# Altium PCB PCB1.PcbDoc
Units mil, origin at the board's own origin, x right, y up, seen from the top; angles counter-clockwise.
Board outline 8024.4 x 2749.4 mil, 2 copper layers (Top Layer, Bottom Layer); 45 components, 34 nets, 214 pads, 0 vias.
Unrouted connection lines stored in the file: 108.
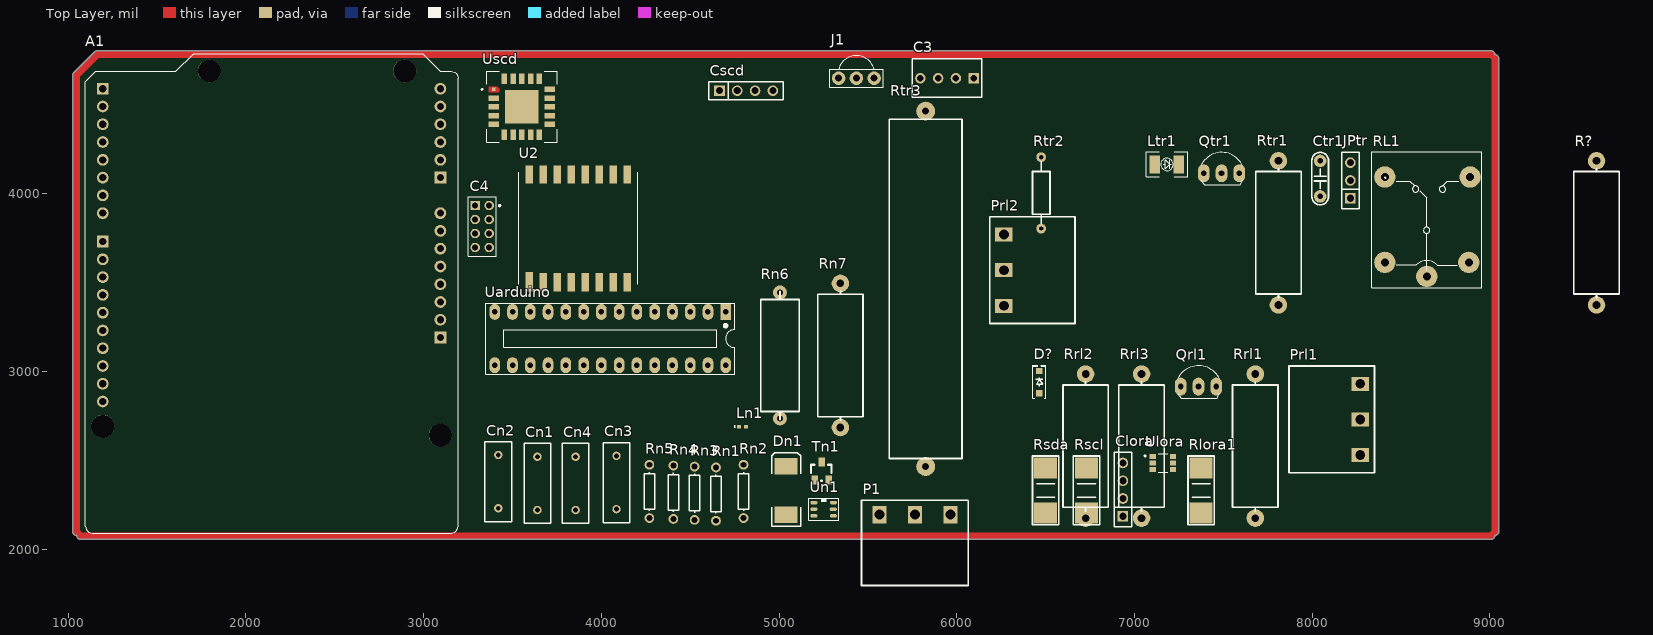
[diagram p0: Top Layer view]
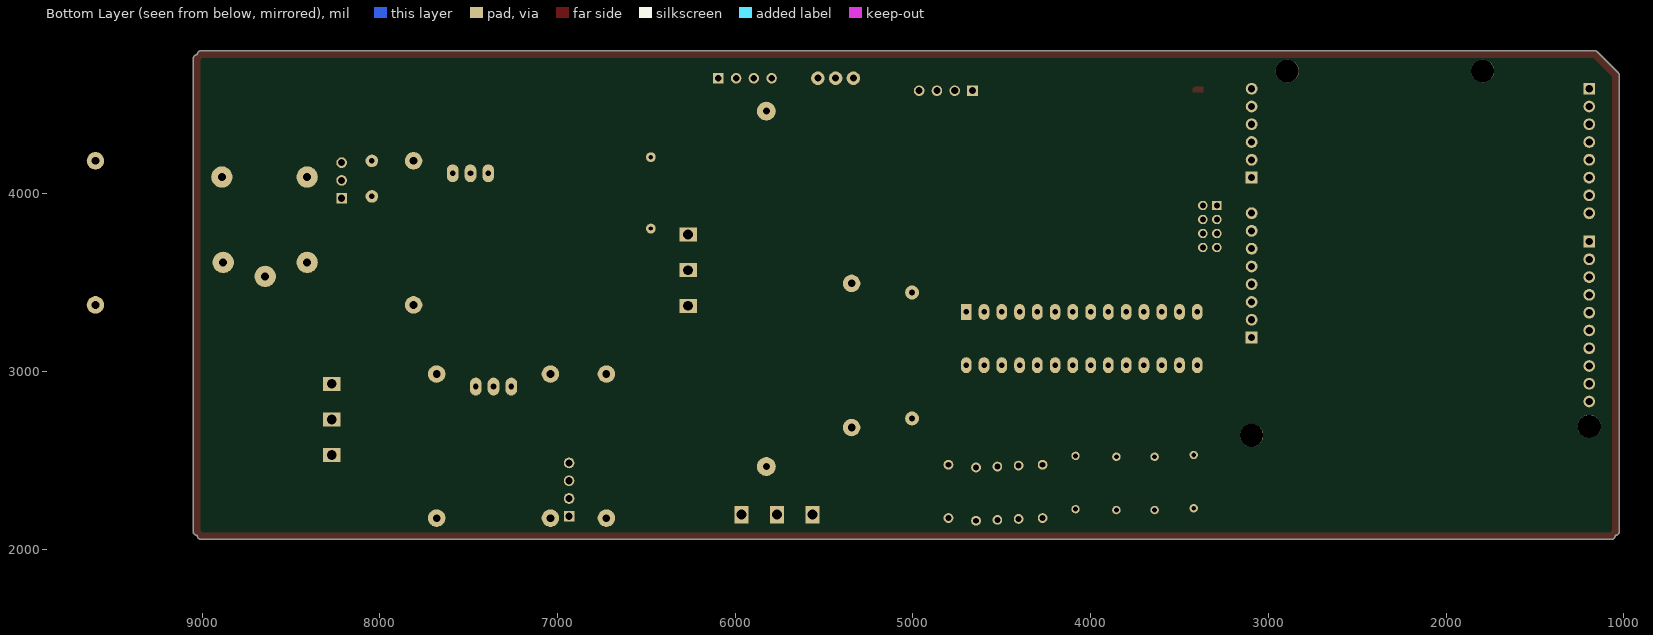
[diagram p1: Bottom Layer view, seen from below]

## Layer stack, top to bottom
Top Solder: solder mask 0.4, Solder Resist, Dk 3.5
Top Layer: signal copper 1.4
Dielectric 1: dielectric 12.6, FR-4, Dk 4.8
Bottom Layer: signal copper 1.4
Bottom Solder: solder mask 0.4, Solder Resist, Dk 3.5

## Board outline
1048.72,2078.72 cw(c1045,2098.06) 1025.3,2098.06 1025.3,4666.94 cw(c1045,4666.94) 1031.07,4680.87 1031.06,4680.86 1149.14,4798.94 1149.13,4798.93 cw(c1163.06,4785) 1163.06,4804.7 9006.94,4804.7 cw(c9006.94,4785) 9026.64,4785 9026.28,4781.28 cw(c9030,4761.94) 9049.7,4761.94 9049.7,2098.06 cw(c9030,2098.06) 9026.28,2078.72 9026.64,2075 cw(c9006.94,2075) 9006.94,2055.3 1068.06,2055.3 cw(c1068.06,2075)

## Design rules (kind name [scope] priority, off if disabled: settings)
Clearance [All] p1: gap=10 ignorepadtopadclearanceinfootprint=FALSE except(0: Arc-Hole Track-Hole SMDPad-Hole THPad-Hole Via-Hole Fill-Hole Poly-Hole Region-Hole Text-Hole)
PolygonConnect [All] p1: connectstyle=Relief reliefconductorwidth=10 reliefentries=4 polygonreliefangle="90 Angle" airgapwidth=10
RoomDefinition Sheet1 [InComponentClass('Sheet1')] p1: confinementstyle=ConfineIn formatcopy=TRUE lockcomponents=FALSE outline 0,0 2000,0 2000,1000 0,1000
RoutingVias [All] p1: holewidth=28 width=50 viastyle="Through Hole" minholewidth=28 minwidth=50 maxholewidth=28 maxwidth=50
SolderMaskExpansion [All] p1: expansion=4 istentingtop=FALSE
Width [All] p1: maxlimit=10 minlimit=10 preferedwidth=10
30 further rules are at their usual default settings.

## Classes and differential pairs
component class Sheet1: A1 C4 Clora Cn1 Cn2 Cn3 Cn4 Cscd Ctr1 D? Dn1 J1 JPtr Ln1 Ltr1 P1 Prl1 Prl2 Qrl1 RL1 Rlora1 Rn2 Rn3 Rn4 Rn5 Rn6 Rn7 Rrl1 Rrl2 Rrl3 Rscl Rsda Rtr1 Rtr2 Rtr3 Tn1 U2 Uarduino Ulora Un1

## Components (designator, comment, footprint, x,y, rotation, side; value= is the part's Value field where it differs from the comment)
A1 "ARDUINO_UNO_REV3" ARDUINO_ARDUINO_UNO_REV3 2145,3440 r90 top
C3 "Header4" HDR4 6095,4650 r180 top
C4 "JP4x2-2.0" J4-C2T 3329.37,3815.63 r270 top
Clora "JP4" JP4-C1T 6935,2185 r90 top
Cn1 "Cap" RAD-0.3 3640,2370 r90 top value=100pF
Cn2 "Cap" RAD-0.3 3420,2380 r90 top value=100pF
Cn3 "Cap" RAD-0.3 4085,2375 r90 top value=100pF
Cn4 "Cap" RAD-0.3 3855,2370 r90 top value=100pF
Cscd "JP4" JP4-C1T 4665,4580 r0 top
Ctr1 "1uF" "tu tantalum dip5.08" 8045,4085 r90 top
D? "S4" "DIODE SOD-123" 6465,2940 r90 top
Dn1 "Diode" SMC 5040,2330 r90 top
J1 "TSOP1838" TSOP1838 5435,4650 r180 top
JPtr "JP3" JP3-C1T 8215,3975 r90 top
Ln1 "Inductor" 0402-A 4795,2690 r0 top value=10mH
Ltr1 "LED 3528" LED-3528-RED 7115,4165 r0 top
P1 "CON 3 EDG5.08" "CON 3 3EDG5.08" 5965,2195 r180 top
Prl1 "CON 3 EDG5.08" "CON 3 3EDG5.08" 8270,2530 r90 top
Prl2 "CON 3 EDG5.08" "CON 3 3EDG5.08" 6265,3770 r270 top
Qrl1 "?" TO92 7360,2915 r0 top value=C9014
Qtr1 "S9015" TO92-123 7490,4115 r0 top value=C9015
R? "1k" "tro vach 2w" 9600,3780 r90 top
RL1 "Relay" "Relay 5 Chan SRD" 8645,3535 r90 top
Rlora1 "10k" "tro smd 2512" 7375,2330 r90 top
Rn1 "Res1" AXIAL-0.3 4645,2310 r90 top value=1K
Rn2 "Res1" AXIAL-0.3 4800,2325 r90 top value=1K
Rn3 "Res1" AXIAL-0.3 4525,2315 r90 top value=1K
Rn4 "Res1" AXIAL-0.3 4405,2320 r90 top value=1K
Rn5 "Res5" AXIAL-0.3 4270,2325 r90 top value=1K
Rn6 "10k" "tro vach 1w" 5005,3090 r270 top
Rn7 "1k" "tro vach 2w" 5345,3090 r90 top
Rrl1 "1k" "tro vach 2w" 7680,2580 r90 top
Rrl2 "1k" "tro vach 2w" 6725,2580 r90 top
Rrl3 "1k" "tro vach 2w" 7040,2580 r90 top
Rscl "10k" "tro smd 2512" 6730,2330 r90 top
Rsda "10k" "tro smd 2512" 6500,2330 r90 top
Rtr1 "1k" "tro vach 2w" 7810,3780 r90 top
Rtr2 "22k" "tro vach 1/4w" 6475,4005 r90 top
Rtr3 "10R" "tro cong suat 10w" 5825,3465 r90 top
Tn1 "ao3401" sot23-3 5200,2390 r0 top
U2 "RA-02_LORA" MODULE_RA-02_LORA 3870,3805 r90 top
Uarduino "ATmega328-PU" DIP28 4700,3335 r180 top
Ulora "TSL2561" XDCR_TSL2561 7160,2485 r0 top
Un1 "AOZ1282CI" Sot23-6 5255,2230 r0 top
Uscd "SCD40-D-R2" XDCR_SCD40-D-R2 3552.52,4489.21 r0 top

## Footprints (in the part's own frame and the unit in brackets; to place one, negate y for a bottom-side part, rotate by r counter-clockwise, add the part's x,y. Pads: shape width x height; smd on the part's side, far side on the other; paste and mask are expansions set on the pad)
0402-A [mm] "Chip Inductor, Body 1.0x0.5mm, IPC High Density"
  rect 0.6x0.5 smd: 1(-0.5,0) 2(0.5,0)
  silkscreen extent -1.1,-0.15 -1.1,0.15, body extent -0.55,-0.3 0.55,0.3, height 0.55
ARDUINO_ARDUINO_UNO_REV3 [mil]
  round 66 hole 40: 3V3(50.89,-949.18) 5V(150.89,-949.18) A1(750.89,-949.18) A2(850.89,-949.18) A3(950.89,-949.18) A4(1050.89,-949.18) A4_SDA(-509.11,950.82) A5(1150.89,-949.18) A5_SCL(-609.11,950.82) AREF(-409.11,950.82) D1(1050.89,950.82) D2(950.89,950.82) D3(850.89,950.82) D4(750.89,950.82) D5(650.89,950.82) D6(550.89,950.82) D7(450.89,950.82) D9(190.89,950.82) D10(90.89,950.82) D11(-9.11,950.82) D12(-109.11,950.82) D13(-209.11,950.82) GND_1(350.89,-949.18) GND_2(250.89,-949.18) GND_3(-309.11,950.82) IOREF(-149.11,-949.18) RST(-49.11,-949.18) VIN(450.89,-949.18)
  rect 66x66 / inner round 66 / far side rect 66x66 hole 40: A0(650.89,-949.18) D0(1150.89,950.82) D8(290.89,950.82) P1(-249.11,-949.18)
  round 129.92 hole 129.92 unplated: ""(-799.11,-949.18) ""(-749.11,950.82) ""(1250.89,-749.18) ""(1250.89,350.82)
  silkscreen extent -1349,-1049 1349,1049, body extent -1606,-1050 1350,1050, height 118
AXIAL-0.3 [mm] "Axial Device, Thru-Hole; 2 Leads; 0.3 in Pin Spacing"
  round 1.4 hole 0.85: 1(-3.81,0) 2(3.81,0)
  silkscreen extent -2.77,-0.76 2.77,0.76
"CON 3 3EDG5.08" [mm]
  rect 2x2.5 hole 1.4: 1(0,0) 2(5.08,0) 3(10.173,0)
  silkscreen extent -2.54,-2.03 12.71,10.16, body extent -2.5,-1.75 12.67,10.25, height 3.15
"DIODE SOD-123" [mm] "SOD-123"
  rect 0.9x0.95 smd: 1(-1.575,0) 2(1.575,0)
  silkscreen extent -2.3,-0.92 2.41,0.92, body extent -1.86,-0.78 1.86,0.77, height 1.35
DIP28 [mil] "DIP, 18-Leads, Row Spacing 7.62mm, Pitch 2.54mm, Body 22.8x7.3mm, Window"
  rect 60x90 hole 31: 1(0,0)
  oval 60x90 hole 31: 2(100,0) 3(200,0) 4(300,0) 5(400,0) 6(500,0) 7(600,0) 8(700,0) 9(800,0) 10(900,0) 11(1000,0) 12(1100,0) 13(1200,0) 14(1300,0) 15(1300,300) 16(1200,300) 17(1100,300) 18(1000,300) 19(900,300) 20(800,300) 21(700,300) 22(600,300) 23(500,300) 24(400,300) 25(300,300) 26(200,300) 27(100,300) 28(0,300)
  silkscreen extent -50,-50 1350,350, body extent -50,-10 1367,300, height 200
HDR4 [mm] "Connector; Header; 4 Position"
  rect 1.5x1.5 hole 0.9: 1(0,0)
  round 1.5 hole 0.9: 2(2.54,0) 3(5.08,0) 4(7.62,0)
  silkscreen extent -1.14,-2.79 8.76,2.74, body extent -1.27,-2.92 8.89,2.88, height 11.72
J4-C2T [mm] "8 pins, dual row, straight, gold plating"
  rect 1.35x1.35 hole 0.85: 1(-3,-1)
  round 1.35 hole 0.85: 2(-1,-1) 3(1,-1) 4(3,-1) 5(3,1) 6(1,1) 7(-1,1) 8(-3,1)
  silkscreen extent -4.25,-2 4.25,2.61, body extent -4.25,-2 4.25,2, height 4.31
JP3-C1T [mm] "3 row, straight, gold plating"
  rect 1.52x1.52 hole 1.02: 1(0,0)
  round 1.52 hole 1.02: 2(2.54,0) 3(5.08,0)
  silkscreen extent -1.52,-1.27 6.6,1.27, body extent -1.52,-1.25 6.6,1.25, height 8.51
JP4-C1T [mm] "4 row, straight, gold plating"
  rect 1.52x1.52 hole 1.02: 1(0,0)
  round 1.52 hole 1.02: 2(2.54,0) 3(5.08,0) 4(7.62,0)
  silkscreen extent -1.52,-1.27 9.14,1.27, body extent -1.52,-1.25 9.14,1.25, height 8.51
LED-3528-RED [mil]
  rect 60x100 smd: 1(0,0) 2(135,0)
  silkscreen extent -50,-70 185,70, body extent -20,-60 154,60, height 75
MODULE_RA-02_LORA [mm]
  rect 2.8x1.1 smd: 1(-7.6,7)
  rect 2.6x1.1 smd: 2(-7.7,5) 3(-7.7,3) 4(-7.7,1) 5(-7.7,-1) 6(-7.7,-3) 7(-7.7,-5) 8(-7.7,-7) 9(7.7,-7) 10(7.7,-5) 11(7.7,-3) 12(7.7,-1) 13(7.7,1) 14(7.7,3) 15(7.7,5) 16(7.7,7)
  silkscreen extent -9.68,-8.5 8,8.5
RAD-0.3 [mm] "Radial Cap, Thru-Hole; 2 Leads; 0.3 in Pin Spacing"
  round 1.2 hole 0.7: 1(-3.81,0) 2(3.81,0)
  silkscreen extent -5.71,-1.91 5.71,1.91
"Relay 5 Chan SRD" [mil] "Relay SPDT, 5 pin, 10A,W 650mil, L 800mil, H 800mil"
  round 120 hole 45: 1(0,0) 2(559.06,236.22) 3(559.06,-243.78) 4(78.74,-236.22) 5(78.74,236.22)
  silkscreen extent -63,-311 700,310, body extent -55,-306 697,304, height 602
SMC [mm] "DO-214-AB/SMC; 2 C-Bend Leads; Body 7.9 x 5.9 mm, inc. leads (LxW)"
  rect 2.4x3.3 smd: 1(-3.475,0) 2(3.475,0)
  silkscreen extent -5.07,-2.05 5.43,2.05
sot23-3 [mil]
  rect 36x50 smd: 1(0,0) 2(80,0) 3(40,100)
  silkscreen extent -20,-5 95,85
Sot23-6 [mil]
  oct 40x20 smd: 1(-59.41,32.4)
  oval 40x20 smd: 2(-59.41,-4.6) 3(-59.41,-42.6) 4(50.59,-42.6) 5(50,-5) 6(50.59,32.4)
  silkscreen extent -89,-68 81,57, body extent -64,-64 54,54, height 51
TO92 [mil] "TO-92"
  oval 66x100 hole 32: 1(-100,0) 2(0,0) 3(100,0)
  silkscreen extent -117,-65 120,118, body extent -109,-66 109,95, height 245
TO92-123 [mil] "TO-92"
  oval 66x100 hole 32: 1(-100,0) 2(0,0) 3(100,0)
  silkscreen extent -117,-65 120,118, body extent -109,-66 109,95, height 245
"tro cong suat 10w" [mm]
  round 2.7 hole 1: 1(-25.4,0) 2(25.4,0)
  silkscreen extent -24.25,-5.2 24.25,5.2, body extent -24.9,-4.5 24.9,4.5, height 10.55
"tro smd 2512" [mm]
  rect 3x3.3 smd: 1(-3.2,0) 2(3.2,0)
  silkscreen extent -4.9,-1.88 4.93,1.88, body extent -3.12,-1.57 3.18,1.58, height 0.82
"tro vach 1/4w" [mm]
  round 1.4 hole 0.6: 1(-5.1,0) 2(5.1,0)
  silkscreen extent -4.39,-1.25 4.42,1.25, body extent -5.38,-1.2 5.38,1.2, height 2.41
"tro vach 1w" [mm]
  round 2 hole 0.9: 1(-9,0) 2(9,0)
  silkscreen extent -9.14,-2.75 9.14,2.75, body extent -9.29,-3 9.29,3, height 6.5
"tro vach 2w" [mm]
  round 2.5 hole 1.1: 1(-10.3,0) 2(10.3,0)
  silkscreen extent -9.27,-3.25 9.14,3.25, body extent -10.56,-2.5 10.56,2.5, height 5.5
TSOP1838 [mil]
  round 76 hole 39.37: 1(-100,0) 2(0,0) 3(100,0)
  silkscreen extent -150,-128 150,50, body extent -118,-159 118,61, height 404
"tu tantalum dip5.08" [mm]
  round 1.8 hole 0.8: 1(-2.54,0) 2(2.54,0)
  silkscreen extent -3.74,-1.2 3.76,1.2, body extent -2.82,-1.08 2.77,1.08, height 6.27
XDCR_SCD40-D-R2 [mm]
  rect 0.5x0.5 smd paste-1 mask+0: 1(-4,2.5)
  rect 1.5x0.8 smd paste-0.125 mask+0.1: 2(-4,1.25) 3(-4,0) 4(-4,-1.25) 5(-4,-2.5) 11(4,-2.5) 12(4,-1.25) 13(4,0) 14(4,1.25) 15(4,2.5)
  rect 4.8x4.8 smd paste-3 mask+0.1: 2(0,0)
  rect 0.8x1.5 smd paste-0.125 mask+0.1: 6(-2.5,-4) 7(-1.25,-4) 8(0,-4) 9(1.25,-4) 10(2.5,-4) 16(2.5,4) 17(1.25,4) 18(0,4) 19(-1.25,4) 20(-2.5,4)
  Top Layer region: -3.25,2.65 -3.25,2.1 -4.75,2.1 -4.75,2.9 -3.5,2.9
  silkscreen extent -5.77,-5.05 5.05,5.05, body extent -5.11,-5.03 4.99,5.07, height 0.83
XDCR_TSL2561 [mm]
  rect 0.9x0.7 smd: 1(-1.45,0.95) 2(-1.45,0) 3(-1.45,-0.95) 4(1.45,-0.95) 5(1.45,0) 6(1.45,0.95)
  silkscreen extent -2.65,-1.3 0.68,1.3, body extent -1.9,-1.3 1.9,1.3, height 1.35

## Part data
A1: "Microcontroller board based on the ATmega328P.", Package="Non-Standard Arduino", Check_prices=https://www.snapeda.com/parts/ARDUINO%20UNO%20REV3/Arduino/view-part/?ref=eda, MF=Arduino, MP="ARDUINO UNO REV3", SnapEDA_Link=https://www.snapeda.com/parts/ARDUINO%20UNO%20REV3/Arduino/view-part/?ref=snap
C3: "Header IDC, 4 x 1 Pin Vertical 2.54mm Pitch (Non-Boxed, Male)", Manufacturer="W¨¹rth Elektronik eiSos GmbH", partNo=613002143121, ComponentLink1 Description=Manufacturer, ComponentLink1URL=http://www.we-online.com, ComponentLink2 Description=Datasheet, ComponentLink2URL=http://katalog.we-online.de/em/datasheet/6130xx143121.pdf, Created by="Karrer Zheng", Created Date="29 March 2013", NoPins=02
C4: "WR-PHD 2.00 mm Dual Pin Header", Manufacturer="W¨¹rth Elektronik eiSos GmbH", partNo=62000821121, ComponentLink1 Description=Manufacturer, ComponentLink1URL=http://www.we-online.com, ComponentLink2 Description=Datasheet, ComponentLink2URL=http://katalog.we-online.de/em/datasheet/6200xx21121.pdf, Created by="Karrer Zheng", Created Date="2 April 2013", NoPins=08
Clora Cscd: "WR-PHD 2.54 mm Angled Socket Header", Manufacturer="W¨¹rth Elektronik eiSos GmbH", partNo=613004143121, ComponentLink1 Description=Manufacturer, ComponentLink1URL=http://www.we-online.com, ComponentLink2 Description=Datasheet, ComponentLink2URL=http://katalog.we-online.de/em/datasheet/6130xx143121.pdf, Created by="Karrer Zheng", Created Date="29 March 2013", NoPins=04
Cn1 Cn2 Cn3 Cn4: "Capacitor", LatestRevisionDate=17-Jul-2002, LatestRevisionNote="Re-released for DXP Platform.", PackageDescription="Radial Cap, Thru-Hole; 2 Leads; 0.3 in Pin Spacing", PackageReference=RAD-0.3, Published=8-Jun-2000, Publisher="Altium Limited"
Ctr1: library part "Tu tantalum 1uF DIP5.08", "Cắm", Chung_Loai=Cắm, Don_Vi=Con, Ma_Hang=MH007470, So_Chan=2, Ten_Linh_Kien="Tụ tantalum 105-1uF DIP5.08 sứ vàng"
D?: library part "Diode S4", "Dán", Chung_Loai=Dán, Don_Vi=Con, Ma_Hang=MH005519, Ten_Linh_Kien="Diode S4 SOD123 ( 1N5819 SOD123)"
Dn1: "Default Diode", Code_JEDEC=DO-214-AB, LatestRevisionDate=17-Jul-2002, LatestRevisionNote="Re-released for DXP Platform.", PackageDescription="DO-214-AB/SMC; 2 C-Bend Leads; Body 7.9 x 5.9 mm, inc. leads (LxW)", PackageReference=SMC, PackageVersion=Sep-1996, Published=8-Jun-2000, Publisher="Altium Limited"
J1: "IR Remote Receiver 38KHz 35m 3-Pin", Package=None, Check_prices=https://www.snapeda.com/parts/TSOP1838/Vishay/view-part/?ref=eda, MF=Vishay, MP=TSOP1838, SnapEDA_Link=https://www.snapeda.com/parts/TSOP1838/Vishay/view-part/?ref=snap
JPtr: "WR-PHD 2.54 mm Angled Socket Header", Manufacturer="W¨¹rth Elektronik eiSos GmbH", partNo=613003143121, ComponentLink1 Description=Manufacturer, ComponentLink1URL=http://www.we-online.com, ComponentLink2 Description=Datasheet, ComponentLink2URL=http://katalog.we-online.de/em/datasheet/6130xx143121.pdf, Created by="Karrer Zheng", Created Date="29 March 2013", NoPins=03
Ltr1: library part "LED 3528 Do", "Dán", Chung_Loai=Dán, Don_Vi=Con, Ma_Hang=MH005543, Ten_Linh_Kien="LED3528 Màu Đỏ"
P1 Prl1 Prl2: "Cắm", Chung_Loai=Cắm, Don_Vi=Con, Ma_Hang=MH000760, Ten_Linh_Kien="CON 3 2EDG5.08-3P 5.08MM ( Xanh Cong)"
Qrl1: library part "Trans 2N3904", "NPN transistor EBC"
Qtr1: library part S9013, "PNP 600mW, EBC"
R? Rn7 Rrl1 Rrl2 Rrl3 Rtr1: library part "Tro Vach 2W 5% 1k", "Cắm", Chung_Loai=Cắm, Don_Vi=Con, Ma_Hang=MH006364, So_Chan=2, Ten_Linh_Kien="Trở 5% 2w 1k"
RL1: library part "Relay 5 Chan SRD", "Relay 5 Chan", Ma_Hang=MH009374, Ten="Relay 5V10A SRD-05VDC-SL-C Chính Hãng"
Rlora1 Rscl Rsda: library part "Tro 2512 5% 10k", "Dán", Chung_Loai=Dán, Don_Vi=Con, Ma_Hang=MH003439, So_Chan=2, Ten_Linh_Kien="Trở 2512 5% 103-10k 1W"
Rn1 Rn2 Rn3 Rn4: "Resistor", LatestRevisionDate=17-Jul-2002, LatestRevisionNote="Re-released for DXP Platform.", PackageDescription="Axial Device, Thru-Hole; 2 Leads; 0.3 in Pin Spacing", PackageReference=AXIAL-0.3, Published=8-Jun-2000, Publisher="Altium Limited"
Rn5: library part Res1, "Resistor", LatestRevisionDate=17-Jul-2002, LatestRevisionNote="Re-released for DXP Platform.", PackageDescription="Axial Device, Thru-Hole; 2 Leads; 0.3 in Pin Spacing", PackageReference=AXIAL-0.3, Published=8-Jun-2000, Publisher="Altium Limited"
Rn6: library part "Tro Vach 1W 5% 10k", "Cắm", Chung_Loai=Cắm, Don_Vi=Con, Ma_Hang=MH006391, So_Chan=2, Ten_Linh_Kien="Trở 5% 1w 10k"
Rtr2: library part "Tro Vach 1/4W 5% 22k", "Cắm", Chung_Loai=Cắm, Don_Vi=Con, Ma_Hang=MH007301, So_Chan=2, Ten_Linh_Kien="Trở Vạch 1/4w 5% 22k"
Rtr3: library part "Tro Cong Suat 10W 5% 10R", "Cắm", Chung_Loai=Cắm, Don_Vi=Con, Ma_Hang=MH001112, So_Chan=2, Ten_Linh_Kien="Trở Sứ 10w 5% 10R"
Tn1: library part CON3, "Connector"
U2: "Ra-02 LoRa RF M5Stack Platform Evaluation Expansion Board", Package=None, Availability=Unavailable, MP=RA-02_LORA, Price=None
Uarduino: "8-bit AVR Microcontroller, 32KB Flash, 1KB EEPROM, 2KB SRAM, 28-pin PDIP, Industrial Grade (-40°C to 85°C)", Supplier Part Number 1=ATMEGA328-PU-ND, ComponentLink1Description="Manufacturer Link", ComponentLink1URL=http://www.atmel.com/products/avr/default.asp?, ComponentLink2Description="ATmega48A/48PA/88A/88PA/168A/168PA/328/328P Datasheet", ComponentLink2URL=http://www.atmel.com/dyn/resources/prod_documents/8271.pdf, ComponentLink3Description="ATmega48A/48PA/88A/88PA/168A/168PA/328/328P Summary", ComponentLink3URL=http://www.atmel.com/dyn/resources/prod_documents/8271S.pdf, ComponentLink4Description="Atmel.com Home", ComponentLink4URL=http://www.atmel.com, DatasheetVersion="revA, Jan-2010", PackageDescription="28-lead (0.300\"/7.62mm Wide) Plastic Dual Inline Package (PDIP)", PackageReference=28P3, PackageVersion="revB, Sep-2001", Published=1-Apr-2010, Publisher="Altium Limited", Supplier 1=Digi-Key, Supplier 2=Mouser, Supplier Part Number 2=556-ATMEGA328-PU
Ulora: "Optical Sensor Ambient 640nm IÂ²C 6-SMD, No Lead", Package="SMD-6 TAOS", Check_prices=https://www.snapeda.com/parts/TSL2561/ams/view-part/?ref=eda, MF=ams, MP=TSL2561, SnapEDA_Link=https://www.snapeda.com/parts/TSL2561/ams/view-part/?ref=snap
Un1: "AOZ1282"
Uscd: "Air Quality Sensor CO2 Sensor 2.5V/3.3V/5V 20-Pin SMD EP", Package=None, Check_prices=https://www.snapeda.com/parts/SCD40-D-R2/Sensirion+AG/view-part/?ref=eda, MF="Sensirion AG", MP=SCD40-D-R2, SnapEDA_Link=https://www.snapeda.com/parts/SCD40-D-R2/Sensirion+AG/view-part/?ref=snap
Ln1: Code_IEC=1005, Code_JEITA=0402, LatestRevisionDate=29-May-2009, LatestRevisionNote="IPC-7351 Footprint Added.", PackageDescription="Chip Inductor", PackageReference=0402-A, Published=8-Jun-2000, Publisher="Altium Limited"

## Nets (pads, with @x,y where several pads share a name; then routed paths per layer and width w, separated by ;. In a path a pad name is that pad's centre, name@x,y a point inside that pad or via, vN(x,y) a via of type N, cw(c..) or ccw(c..) an arc to the next point about the centre after c; other vN are vias at no path point)
+5V: Prl1.3 Qrl1.3 Rrl2.2
+24: P1.2 Rn2.2 Un1.5
COM: Prl2.2 RL1.1
DIO: C4.2 U2.5 Uarduino.26
GND: C3.3 C4.1 Clora.2 Cn1.1 Cn2.1 Cscd.1 D?.1 Dn1.1 J1.2 P1.3 Prl1.1 Rn1.1 Rn3.1 Rn4.1 Rrl2.1 Rrl3.1 Rtr2.1 U2.1 U2.2 U2.9 U2.16 Uarduino.8 Uarduino.22 Ulora.2 Ulora.3 Un1.2 Uscd.6 Uscd.20
NetCn3_1: Cn3.1 Un1.1
NetCn4_1: Cn4.1 Rn3.2 Rn4.2 Rn5.1 Un1.3
NetCtr1_2: Ctr1.2 JPtr.3 Ltr1.2
NetD?_2: D?.2 Qrl1.1 RL1.4 RL1.5 Rrl3.2
NetLtr1_1: Ltr1.1 Rtr3.2
NetPrl2_1: Prl2.1 RL1.2
NetPrl2_3: Prl2.3 RL1.3
NetQrl1_2: Qrl1.2 Rrl1.1
NetQtr1_2: Qtr1.2 Rtr1.2
NetQtr1_3: Qtr1.3 Rtr3.1
NetRlora1_2: Rlora1.2 Ulora.5
NetRn1_2: Rn1.2 Rn2.1 Un1.4
NetRn6_2: Rn6.2 Rn7.1 Tn1.1
NSS: C4.7 U2.15 Uarduino.25
OUT: C3.2 J1.1 R?.1 Uarduino.23
PowEn1: Rn6.1 Uarduino.5
RL: Prl1.2 Rrl1.2 Uarduino.4
RS: C4.5 U2.4 Uarduino.24
SCK: C4.3 U2.12 Uarduino.19
SCL: Clora.3 Cscd.3 Rscl.1 Uarduino.27 Ulora.4 Uscd.9
SDA: Clora.4 Cscd.4 Rsda.1 Uarduino.28 Ulora.6 Uscd.10
SDI: C4.4 U2.13 Uarduino.18
SDO: C4.6 U2.14 Uarduino.17
swpo1: Cn3.2 Dn1.2 Ln1.1 Un1.6
TX: JPtr.1 Rtr1.1 Rtr2.2 Uarduino.3
Vbus: Rscl.2 Rsda.2
VCC: Cn1.2 Cn2.2 Cn4.2 Cscd.2 Rn5.2 Rn7.2 Tn1.2
VCCpl: C3.4 C4.8 Clora.1 Ctr1.1 J1.3 JPtr.2 Qtr1.1 R?.2 Tn1.3 U2.3 Uarduino.7 Uscd.7 Uscd.19
VDDpl: Rlora1.1 Ulora.1
pads on no net: A1. A1.3V3 A1.5V A1.A0 A1.A1 A1.A2 A1.A3 A1.A4 A1.A4_SDA A1.A5 A1.A5_SCL A1.AREF A1.D0 A1.D1 A1.D2 A1.D3 A1.D4 A1.D5 A1.D6 A1.D7 A1.D8 A1.D9 A1.D10 A1.D11 A1.D12 A1.D13 A1.GND_1 A1.GND_2 A1.GND_3 A1.IOREF A1.P1 A1.RST A1.VIN C3.1 Ln1.2 P1.1 U2.6 U2.7 U2.8 U2.10 U2.11 Uarduino.1 Uarduino.2 Uarduino.6 Uarduino.9 Uarduino.10 Uarduino.11 Uarduino.12 Uarduino.13 Uarduino.14 Uarduino.15 Uarduino.16 Uarduino.20 Uarduino.21 Uscd.1 Uscd.2 Uscd.3 Uscd.4 Uscd.5 Uscd.8 Uscd.11 Uscd.12 Uscd.13 Uscd.14 Uscd.15 Uscd.16 Uscd.17 Uscd.18
copper on no net: | length 21280.3
  Top Layer w39.37: 1045,2098.06 1068.06,2075 9006.94,2075 9030,2098.06 9030,4761.94 9006.94,4785 1163.06,4785 1045,4666.94 1045,2098.06